# Allegro board PandaX_III_V3.brd (continued)
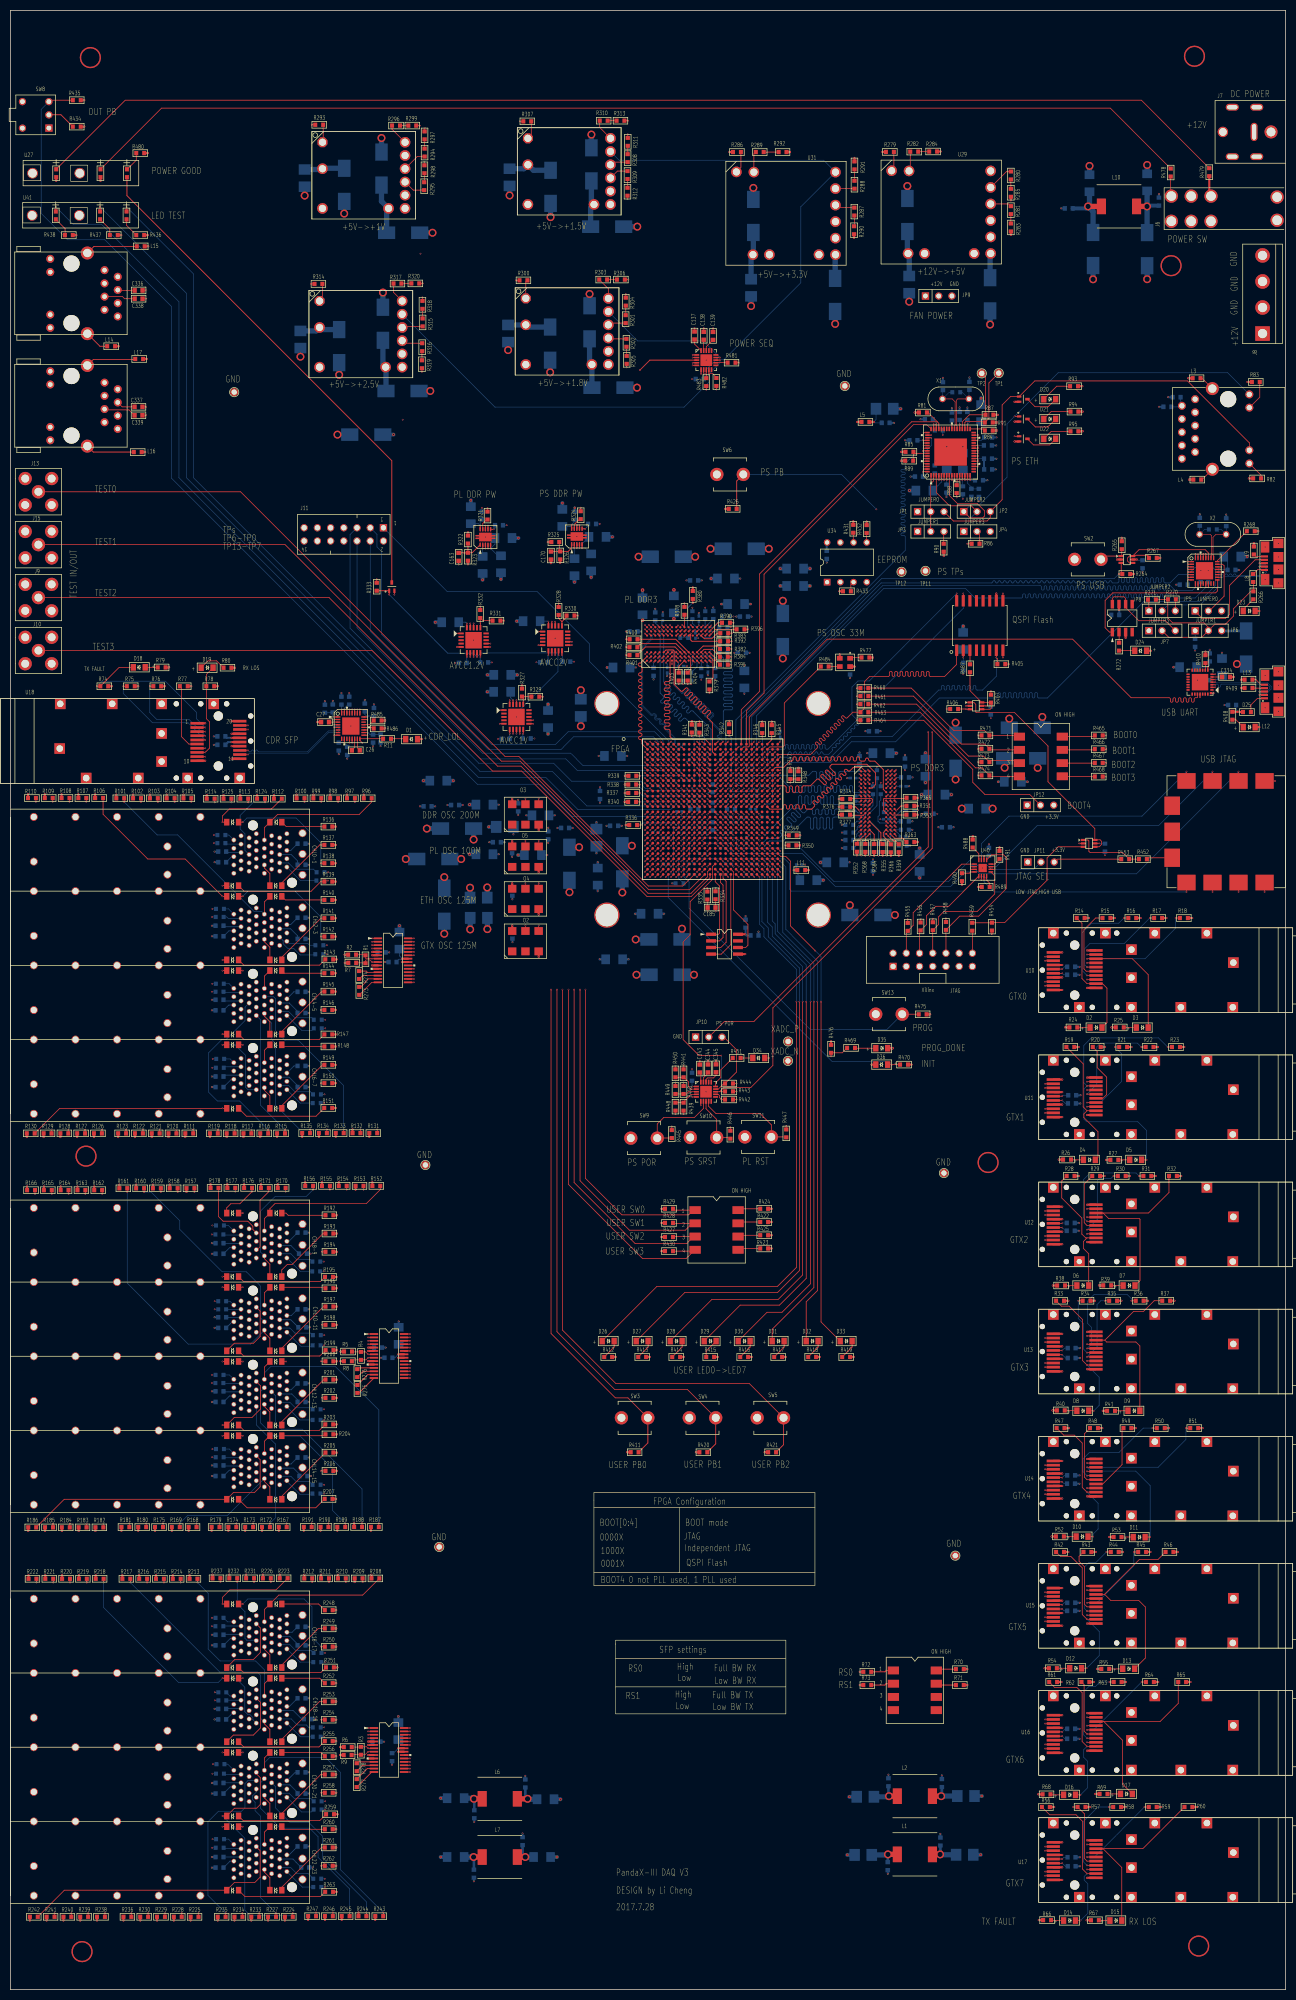
[diagram p0: board, top side]
## Routing (per net, layer and track width the routed paths; a pad name or vN(x,y) marks a point on that pad's centre or on a via; arc(x,y) is an arc through that point) (continued)
  SIG1 w0.102: v1(26.11,324.64) 26.75,325.27 27.15,325.27 arc(27.29,325.21) 27.35,325.07 27.35,324.89 arc(27.55,324.69) 27.76,324.89 27.76,325.07 arc(27.82,325.21) 27.96,325.27 31.24,325.27 50.29,306.22 52.37,304.14 101.4,304.14 101.55,303.99 117.6,287.94 117.6,250.93 129.31,239.22 129.31,229.41 129.15,229.25 128.29,229.25 v1(127.92,229.62)
DCM_MOSI_P: length 174.5
  TOP w0.102: C336.1 v1(26.11,326.24) ; U1.M7 v1(127.92,228.62)
  SIG1 w0.102: v1(26.11,326.24) 26.82,325.53 31.14,325.53 31.35,325.53 50.47,306.4 50.55,306.33 52.48,304.39 101.5,304.39 101.73,304.17 117.86,288.04 117.86,251.03 129.57,239.32 129.57,229.31 129.25,229 128.29,229 v1(127.92,228.62)
DCM_REMDET: length 206.8
  TOP w0.102: U1.W15 v1(136.93,220.62)
  SIG4 w0.127: v1(136.93,220.62) 137.16,220.85 137.21,220.85 137.31,220.96 137.31,225.86 136.52,226.65 111.2,226.65 108.51,229.34 92.25,229.34 30.33,291.26 11.86,291.26 6.5,296.62 6.5,322.45 7.83,323.78 DU1.6
DDR3_ADDR0: length 41.3
  TOP w0.102: U1.K22 v1(143.93,230.62)
  TOP w0.127: U33.N3 v1(164.74,223.95)
  TOP w0.152: R355.1 167.26,220.27 167.26,222.11 U33.N3
  SIG3 w0.152: v1(164.74,223.95) 164.3,224.38 162.38,224.38 162.08,224.69 158.78,224.69 157.67,225.8 arc(157.58,226) 157.67,226.21 arc(157.75,226.41) 157.67,226.61 157.64,226.64 arc(157.44,226.72) 157.23,226.64 arc(157.03,226.55) 156.83,226.64 156.21,227.25 155.64,227.25 arc(155.43,227.17) 155.34,226.95 155.34,225.96 arc(155.03,225.65) 154.73,225.96 154.73,226.95 arc(154.42,227.25) 154.12,226.95 154.12,225.96 arc(153.81,225.65) 153.51,225.96 153.51,226.95 arc(153.2,227.25) 152.9,226.95 152.9,225.96 arc(152.59,225.65) 152.29,225.96 152.29,226.95 arc(152.2,227.17) 151.98,227.25 149.63,227.25 arc(149.52,227.21) 149.47,227.09 arc(149.42,226.97) 149.3,226.92 149.02,226.92 arc(148.91,226.97) 148.86,227.09 arc(148.81,227.21) 148.69,227.25 148.41,227.25 arc(148.3,227.21) 148.25,227.09 arc(148.2,226.97) 148.08,226.92 147.8,226.92 arc(147.69,226.97) 147.64,227.09 arc(147.59,227.21) 147.47,227.25 147.19,227.25 arc(147.08,227.21) 147.03,227.09 arc(146.98,226.97) 146.86,226.92 146.59,226.92 arc(146.47,226.97) 146.42,227.09 arc(146.37,227.21) 146.26,227.25 145.87,227.25 145.41,227.71 145.41,229.92 145.19,230.15 144.4,230.15 v1(143.93,230.62)
DDR3_ADDR1: length 39.7
  TOP w0.102: U1.K20 v1(141.93,230.62)
  TOP w0.127: U33.P7 v1(168.61,223.15)
  SIG4 w0.152: v1(168.61,223.15) 166.31,223.15 165.96,223.5 165.96,226.87 165.25,227.59 162.38,227.59 160.88,229.08 157.27,229.08 arc(157.15,229.04) 157.1,228.92 arc(157.05,228.8) 156.94,228.75 156.66,228.75 arc(156.54,228.8) 156.49,228.92 arc(156.45,229.04) 156.33,229.08 156.05,229.08 arc(155.93,229.04) 155.88,228.92 arc(155.84,228.8) 155.72,228.75 155.44,228.75 arc(155.32,228.8) 155.27,228.92 arc(155.23,229.04) 155.11,229.08 154.83,229.08 arc(154.71,229.04) 154.66,228.92 arc(154.62,228.8) 154.5,228.75 154.22,228.75 arc(154.1,228.8) 154.06,228.92 arc(154.01,229.04) 153.89,229.08 153.61,229.08 arc(153.49,229.04) 153.45,228.92 arc(153.4,228.8) 153.28,228.75 153,228.75 arc(152.88,228.8) 152.84,228.92 arc(152.79,229.04) 152.67,229.08 152.39,229.08 arc(152.27,229.04) 152.23,228.92 arc(152.18,228.8) 152.06,228.75 151.78,228.75 arc(151.67,228.8) 151.62,228.92 arc(151.57,229.04) 151.45,229.08 151.17,229.08 arc(151.06,229.04) 151.01,228.92 arc(150.96,228.8) 150.84,228.75 150.56,228.75 arc(150.45,228.8) 150.4,228.92 arc(150.35,229.04) 150.23,229.08 149.95,229.08 arc(149.84,229.04) 149.79,228.92 arc(149.74,228.8) 149.62,228.75 149.34,228.75 arc(149.23,228.8) 149.18,228.92 arc(149.13,229.04) 149.01,229.08 145.64,229.08 145.49,229.24 145.49,229.9 145.21,230.18 142.37,230.18 141.93,230.62 v1(141.93,230.62)
  BOTTOM w0.152: v1(168.61,223.15) 167.89,222.43 167.89,220.45 R356.1
DDR3_ADDR2: length 38.7
  TOP w0.102: U1.N21 v1(142.93,227.62)
  TOP w0.127: U33.P3 v1(164.74,223.15)
  SIG3 w0.152: v1(142.93,227.62) 142.93,227.2 144.53,225.6 150.75,225.6 150.98,225.37 arc(151.07,225.16) 150.98,224.94 150.59,224.55 arc(150.59,224.12) 151.03,224.12 151.41,224.51 arc(151.84,224.51) 151.84,224.08 151.46,223.69 arc(151.46,223.26) 151.89,223.26 152.27,223.65 arc(152.49,223.74) 152.7,223.65 153.21,223.14 153.86,223.14 arc(154.08,223.05) 154.16,222.84 154.16,222.4 arc(154.47,222.1) 154.77,222.4 154.77,222.84 arc(155.08,223.14) 155.38,222.84 155.38,222.4 arc(155.69,222.1) 155.99,222.4 155.99,222.84 arc(156.3,223.14) 156.6,222.84 156.6,222.4 arc(156.91,222.1) 157.21,222.4 157.21,222.84 arc(157.52,223.14) 157.82,222.84 157.82,222.4 arc(158.13,222.1) 158.43,222.4 158.43,222.84 arc(158.52,223.05) 158.74,223.14 162,223.14 162.41,222.73 164.32,222.73 v1(164.74,223.15)
  BOTTOM w0.152: R357.1 165.23,220.07 165.23,222.66 v1(164.74,223.15)
DDR3_ADDR3: length 38.5
  TOP w0.102: U1.L22 v1(143.93,229.62)
  TOP w0.127: U33.N2 v1(163.94,223.95)
  SIG4 w0.152: v1(143.93,229.62) 144.45,229.1 144.45,228.3 144.65,228.09 147.59,228.09 arc(147.81,228) 147.9,227.79 147.9,227.48 arc(148.2,227.18) 148.51,227.48 148.51,227.79 arc(148.81,228.09) 149.12,227.79 149.12,227.48 arc(149.42,227.18) 149.73,227.48 149.73,227.79 arc(150.03,228.09) 150.34,227.79 150.34,227.48 arc(150.64,227.18) 150.95,227.48 150.95,227.79 arc(151.25,228.09) 151.56,227.79 151.56,227.48 arc(151.86,227.18) 152.17,227.48 152.17,227.79 arc(152.47,228.09) 152.78,227.79 152.78,227.48 arc(153.08,227.18) 153.38,227.48 153.38,227.79 arc(153.69,228.09) 153.99,227.79 153.99,227.48 arc(154.3,227.18) 154.6,227.48 154.6,227.79 arc(154.91,228.09) 155.21,227.79 155.21,227.48 arc(155.52,227.18) 155.82,227.48 155.82,227.79 arc(156.13,228.09) 156.43,227.79 156.43,227.48 arc(156.74,227.18) 157.04,227.48 157.04,227.79 arc(157.13,228) 157.35,228.09 161.01,228.09 162.61,226.49 162.61,224.57 162.76,224.42 163.44,224.42 163.47,224.39 163.5,224.39 v1(163.94,223.95)
  BOTTOM w0.152: R358.1 162.08,222.15 162.71,222.78 162.71,223.2 163,223.48 163.47,223.48 v1(163.94,223.95)
DDR3_ADDR4: length 40.4
  TOP w0.102: U1.M20 v1(141.93,228.62)
  TOP w0.127: U33.P8 v1(169.41,223.15)
  SIG4 w0.152: v1(169.41,223.15) 169.82,222.74 169.82,221.26 168.22,219.66 161.59,219.66 156.16,225.1 145.14,225.1 143.15,227.08 142.67,227.08 142.39,227.36 142.39,228.16 v1(141.93,228.62)
  BOTTOM w0.152: v1(169.41,223.15) 169.41,223.09 169.06,222.73 169.06,221.16 170.56,219.66 R359.1
DDR3_ADDR5: length 40.4
  TOP w0.102: U1.N22 v1(143.93,227.62)
  TOP w0.127: U33.P2 v1(163.94,223.15)
  SIG4 w0.152: v1(163.94,223.15) 163.59,223.5 162.38,223.5 161.52,224.36 157.63,224.36 156.49,225.5 156.08,225.5 arc(155.86,225.59) 155.78,225.81 155.78,226.24 arc(155.47,226.54) 155.17,226.24 155.17,225.81 arc(154.86,225.5) 154.56,225.81 154.56,226.24 arc(154.25,226.54) 153.95,226.24 153.95,225.81 arc(153.64,225.5) 153.34,225.81 153.34,226.24 arc(153.03,226.54) 152.73,226.24 152.73,225.81 arc(152.42,225.5) 152.12,225.81 152.12,226.24 arc(151.81,226.54) 151.51,226.24 151.51,225.81 arc(151.2,225.5) 150.9,225.81 150.9,226.24 arc(150.59,226.54) 150.29,226.24 150.29,225.81 arc(149.98,225.5) 149.68,225.81 149.68,226.24 arc(149.37,226.54) 149.07,226.24 149.07,225.81 arc(148.77,225.5) 148.46,225.81 148.46,226.24 arc(148.16,226.54) 147.85,226.24 147.85,225.81 arc(147.55,225.5) 147.24,225.81 147.24,226.24 arc(146.94,226.54) 146.63,226.24 146.63,225.81 arc(146.54,225.59) 146.33,225.5 146.05,225.5 v1(143.93,227.62)
  BOTTOM w0.152: v1(163.94,223.15) 163.47,222.68 163.47,221.42 162.69,220.64 162.69,219.84 162.03,219.18 R360.1
DDR3_ADDR6: length 38
  TOP w0.102: U1.L20 v1(141.93,229.62)
  TOP w0.127: U33.R8 v1(169.41,222.35)
  SIG2 w0.152: v1(141.93,229.62) 142.36,229.19 142.36,227.59 142.37,227.59 142.77,227.18 148.21,227.18 149.28,226.11 159.28,226.11 160.17,225.22 165.26,225.22 arc(165.48,225.31) 165.57,225.53 arc(165.87,225.83) 166.18,225.53 arc(166.48,225.22) 166.79,225.53 arc(167.09,225.83) 167.4,225.53 arc(167.49,225.31) 167.7,225.22 169.55,225.22 169.88,224.89 169.88,222.82 v1(169.41,222.35)
  BOTTOM w0.152: R361.1 169.74,222.68 v1(169.41,222.35)
DDR3_ADDR7: length 38.6
  TOP w0.102: U1.J21 v1(142.93,231.62)
  TOP w0.127: U33.R2 v1(163.94,222.35)
  SIG3 w0.152: v1(163.94,222.35) 163.53,221.95 162.81,221.95 162.48,221.62 157.68,221.62 arc(157.47,221.53) 157.38,221.31 157.38,220.98 arc(157.07,220.68) 156.77,220.98 156.77,221.31 arc(156.46,221.62) 156.16,221.31 156.16,220.98 arc(155.85,220.68) 155.55,220.98 155.55,221.31 arc(155.24,221.62) 154.94,221.31 154.94,220.98 arc(154.64,220.68) 154.33,220.98 154.33,221.31 arc(154.03,221.62) 153.72,221.31 153.72,220.98 arc(153.42,220.68) 153.11,220.98 153.11,221.31 arc(153.02,221.53) 152.81,221.62 152.53,221.62 149.02,225.12 143.89,225.12 142.42,226.59 142.42,231.11 v1(142.93,231.62)
  BOTTOM w0.152: R362.1 164.27,220.76 164.27,222.02 v1(163.94,222.35)
DDR3_ADDR8: length 39.3
  TOP w0.102: U1.T20 v1(141.93,223.62)
  TOP w0.127: U33.T8 v1(169.41,221.55)
  TOP w0.152: v1(169.41,221.55) 169.91,221.06 171.42,221.06 R363.1
  SIG2 w0.152: v1(169.41,221.55) 169.41,220.85 168.73,220.17 159.12,220.17 arc(158.94,220.09) 158.86,219.91 arc(158.79,219.73) 158.61,219.66 158.51,219.66 arc(158.33,219.73) 158.25,219.91 arc(158.18,220.09) 158,220.17 157.67,220.17 arc(157.45,220.08) 157.37,219.86 157.37,219.79 arc(157.06,219.48) 156.76,219.79 156.76,219.86 arc(156.45,220.17) 156.15,219.86 156.15,219.79 arc(155.84,219.48) 155.54,219.79 155.54,219.86 arc(155.23,220.17) 154.93,219.86 154.93,219.79 arc(154.62,219.48) 154.32,219.79 154.32,219.86 arc(154.01,220.17) 153.71,219.86 153.71,219.79 arc(153.4,219.48) 153.1,219.79 153.1,219.86 arc(153.01,220.08) 152.79,220.17 145.54,220.17 144.63,221.08 142.82,221.08 142.49,221.41 142.49,223.05 v1(141.93,223.62)
DDR3_ADDR9: length 38.7
  TOP w0.102: U1.U20 v1(141.93,222.62)
  TOP w0.127: U33.R3 v1(164.74,222.35)
  TOP w0.152: R364.1 165.96,221.8 U33.R3
  SIG1 w0.152: v1(164.74,222.35) 164.38,222 162.81,222 162.41,221.59 161.38,221.59 arc(161.17,221.5) 161.08,221.29 161.08,221.08 arc(160.78,220.78) 160.47,221.08 160.47,221.29 arc(160.38,221.5) 160.17,221.59 159.08,221.59 arc(158.86,221.5) 158.78,221.29 158.78,220.88 arc(158.47,220.57) 158.17,220.88 158.17,221.29 arc(157.86,221.59) 157.56,221.29 157.56,220.88 arc(157.25,220.57) 156.95,220.88 156.95,221.29 arc(156.64,221.59) 156.34,221.29 156.34,220.88 arc(156.03,220.57) 155.73,220.88 155.73,221.29 arc(155.42,221.59) 155.12,221.29 155.12,220.88 arc(154.81,220.57) 154.51,220.88 154.51,221.29 arc(154.2,221.59) 153.9,221.29 153.9,220.88 arc(153.59,220.57) 153.29,220.88 153.29,221.29 arc(153.2,221.5) 152.98,221.59 152.7,221.59 152.2,221.08 150.05,221.08 arc(149.97,221.05) 149.94,220.97 arc(149.9,220.89) 149.82,220.85 149.44,220.85 arc(149.36,220.89) 149.33,220.97 arc(149.29,221.05) 149.21,221.08 148.83,221.08 arc(148.75,221.05) 148.72,220.97 arc(148.68,220.89) 148.6,220.85 148.22,220.85 arc(148.14,220.89) 148.11,220.97 arc(148.08,221.05) 147.99,221.08 147.61,221.08 arc(147.53,221.05) 147.5,220.97 arc(147.47,220.89) 147.38,220.85 147,220.85 arc(146.92,220.89) 146.89,220.97 arc(146.86,221.05) 146.78,221.08 146.39,221.08 arc(146.31,221.05) 146.28,220.97 arc(146.25,220.89) 146.17,220.85 145.78,220.85 arc(145.7,220.89) 145.67,220.97 arc(145.64,221.05) 145.56,221.08 145.17,221.08 arc(145.09,221.05) 145.06,220.97 arc(145.03,220.89) 144.95,220.85 144.57,220.85 arc(144.48,220.89) 144.45,220.97 arc(144.42,221.05) 144.34,221.08 142.65,221.08 142.34,221.39 142.34,222.2 v1(141.93,222.62)
DDR3_ADDR10: length 43.1
  TOP w0.102: U1.M22 v1(143.93,228.62)
  TOP w0.127: U33.L7 v1(168.61,225.55)
  TOP w0.152: R365.1 172.07,228.71 167.9,228.71 167.79,228.6 167.79,226.37 U33.L7
  SIG2 w0.152: v1(143.93,228.62) 144.3,228.25 148.54,228.25 149.5,227.28 arc(149.72,227.19) 149.81,226.98 149.81,226.82 arc(150.11,226.52) 150.42,226.82 150.42,226.98 arc(150.72,227.28) 151.03,226.98 151.03,226.82 arc(151.33,226.52) 151.64,226.82 151.64,226.98 arc(151.94,227.28) 152.25,226.98 152.25,226.82 arc(152.55,226.52) 152.86,226.82 152.86,226.98 arc(153.16,227.28) 153.47,226.98 153.47,226.82 arc(153.77,226.52) 154.08,226.82 154.08,226.98 arc(154.38,227.28) 154.69,226.98 154.69,226.82 arc(154.99,226.52) 155.3,226.82 155.3,226.98 arc(155.6,227.28) 155.91,226.98 155.91,226.82 arc(156.21,226.52) 156.51,226.82 156.51,226.98 arc(156.82,227.28) 157.12,226.98 157.12,226.82 arc(157.43,226.52) 157.73,226.82 157.73,226.98 arc(157.82,227.19) 158.04,227.28 158.34,227.28 159.03,226.59 159.56,226.59 159.79,226.82 163.8,226.82 163.8,226.82 164.87,226.82 164.87,226.82 165.37,226.82 arc(165.58,226.91) 165.67,227.13 165.67,227.43 arc(165.98,227.74) 166.28,227.43 166.28,227.13 arc(166.37,226.91) 166.59,226.82 167.34,226.82 v1(168.61,225.55)
DDR3_ADDR11: length 39.5
  TOP w0.102: U1.H21 v1(142.93,232.62)
  TOP w0.127: U33.R7 v1(168.61,222.35)
  TOP w0.152: R366.1 169.16,220.04 167.72,221.49 167.72,222.13 U33.R7
  SIG4 w0.152: v1(142.93,232.62) 143.41,232.14 143.41,231.4 143.71,231.09 146.25,231.09 146.43,230.91 146.43,230.43 146.79,230.07 161.04,230.07 162.33,228.78 168.58,228.78 168.96,228.4 168.96,222.7 v1(168.61,222.35)
DDR3_ADDR12: length 43.7
  TOP w0.102: U1.P20 v1(141.93,225.62)
  TOP w0.127: U33.N7 v1(168.61,223.95)
  SIG2 w0.152: v1(168.61,223.95) 168.18,224.38 159.11,224.38 158.29,225.2 157.1,225.2 arc(157.04,225.22) 157.01,225.29 arc(156.99,225.35) 156.93,225.38 156.49,225.38 arc(156.43,225.35) 156.41,225.29 arc(156.38,225.22) 156.32,225.2 155.88,225.2 arc(155.82,225.22) 155.8,225.29 arc(155.77,225.35) 155.71,225.38 155.28,225.38 arc(155.21,225.35) 155.19,225.29 arc(155.16,225.22) 155.1,225.2 154.67,225.2 arc(154.6,225.22) 154.58,225.29 arc(154.55,225.35) 154.49,225.38 154.06,225.38 arc(153.99,225.35) 153.97,225.29 arc(153.94,225.22) 153.88,225.2 153.45,225.2 arc(153.38,225.22) 153.36,225.29 arc(153.33,225.35) 153.27,225.38 152.84,225.38 arc(152.77,225.35) 152.75,225.29 arc(152.72,225.22) 152.66,225.2 152.23,225.2 arc(152.16,225.22) 152.14,225.29 arc(152.11,225.35) 152.05,225.38 151.62,225.38 arc(151.55,225.35) 151.53,225.29 arc(151.5,225.22) 151.44,225.2 151.01,225.2 arc(150.94,225.22) 150.92,225.29 arc(150.89,225.35) 150.83,225.38 150.4,225.38 arc(150.34,225.35) 150.31,225.29 arc(150.28,225.22) 150.22,225.2 149.79,225.2 arc(149.73,225.22) 149.7,225.29 arc(149.67,225.35) 149.61,225.38 149.18,225.38 arc(149.12,225.35) 149.09,225.29 arc(149.06,225.22) 149,225.2 147.93,225.2 arc(147.72,225.29) 147.63,225.5 147.63,226.19 arc(147.32,226.49) 147.02,226.19 147.02,225.5 arc(146.71,225.2) 146.41,225.5 146.41,226.19 arc(146.1,226.49) 145.8,226.19 145.8,225.5 arc(145.5,225.2) 145.19,225.5 145.19,226.19 arc(144.89,226.49) 144.58,226.19 144.58,225.5 arc(144.49,225.29) 144.28,225.2 142.35,225.2 v1(141.93,225.62)
  BOTTOM w0.152: v1(168.61,223.95) 168.59,223.98 167.06,223.98 166.7,224.33 166.7,225.2 166.95,225.45 166.95,228.14 167.23,228.42 R367.1
DDR3_ADDR13: length 37.4
  TOP w0.102: U1.J20 v1(141.93,231.62)
  TOP w0.127: U33.T3 v1(164.74,221.55)
  TOP w0.152: R368.1 164.26,221.08 v1(164.74,221.55)
  SIG3 w0.152: v1(164.74,221.55) 163.35,220.17 159.07,220.17 arc(158.91,220.11) 158.85,219.95 arc(158.79,219.8) 158.63,219.74 158.46,219.74 arc(158.3,219.8) 158.24,219.95 arc(158.18,220.11) 158.02,220.17 157.85,220.17 arc(157.69,220.11) 157.63,219.95 arc(157.57,219.8) 157.42,219.74 157.24,219.74 arc(157.08,219.8) 157.02,219.95 arc(156.96,220.11) 156.81,220.17 156.63,220.17 arc(156.47,220.11) 156.41,219.95 arc(156.35,219.8) 156.2,219.74 156.02,219.74 arc(155.87,219.8) 155.8,219.95 arc(155.74,220.11) 155.59,220.17 155.41,220.17 arc(155.26,220.11) 155.19,219.95 arc(155.13,219.8) 154.98,219.74 154.8,219.74 arc(154.65,219.8) 154.58,219.95 arc(154.52,220.11) 154.37,220.17 152.35,220.17 148.44,224.08 142.98,224.08 141.3,225.76 141.3,231 v1(141.93,231.62)
DDR3_ADDR14: length 39.2
  TOP w0.102: U1.R20 v1(141.93,224.62)
  TOP w0.127: U33.T7 v1(168.61,221.55)
  TOP w0.152: R369.1 169.98,220.63 169.54,220.63 v1(168.61,221.55)
  SIG2 w0.152: v1(141.93,224.62) 142.41,224.13 143.1,224.13 143.46,223.78 143.46,223.24 143.69,223.01 145.47,223.01 arc(145.69,222.92) 145.78,222.71 145.78,222.68 arc(146.08,222.38) 146.39,222.68 146.39,222.71 arc(146.69,223.01) 147,222.71 147,222.68 arc(147.3,222.38) 147.61,222.68 147.61,222.71 arc(147.91,223.01) 148.22,222.71 148.22,222.68 arc(148.52,222.38) 148.83,222.68 148.83,222.71 arc(149.13,223.01) 149.43,222.71 149.43,222.68 arc(149.74,222.38) 150.04,222.68 150.04,222.71 arc(150.35,223.01) 150.65,222.71 150.65,222.68 arc(150.96,222.38) 151.26,222.68 151.26,222.71 arc(151.57,223.01) 151.87,222.71 151.87,222.68 arc(152.18,222.38) 152.48,222.68 152.48,222.71 arc(152.79,223.01) 153.09,222.71 153.09,222.68 arc(153.4,222.38) 153.7,222.68 153.7,222.71 arc(154.01,223.01) 154.31,222.71 154.31,222.68 arc(154.62,222.38) 154.92,222.68 154.92,222.71 arc(155.23,223.01) 155.53,222.71 155.53,222.68 arc(155.84,222.38) 156.14,222.68 156.14,222.71 arc(156.23,222.92) 156.45,223.01 157.76,223.01 159.16,221.62 162.36,221.62 162.69,221.95 168.22,221.95 v1(168.61,221.55)
DDR3_BA0: length 38.5
  TOP w0.102: U1.U22 v1(143.93,222.62)
  TOP w0.127: U33.M2 v1(163.94,224.75)
  SIG1 w0.152: v1(143.93,222.62) 145.52,224.21 146.13,224.21 146.3,224.38 149.47,224.38 arc(149.68,224.3) 149.77,224.08 149.77,223.75 arc(150.08,223.44) 150.38,223.75 150.38,224.08 arc(150.69,224.38) 150.99,224.08 150.99,223.75 arc(151.3,223.44) 151.6,223.75 151.6,224.08 arc(151.91,224.38) 152.21,224.08 152.21,223.75 arc(152.52,223.44) 152.82,223.75 152.82,224.08 arc(153.13,224.38) 153.43,224.08 153.43,223.75 arc(153.74,223.44) 154.04,223.75 154.04,224.08 arc(154.35,224.38) 154.65,224.08 154.65,223.75 arc(154.95,223.44) 155.26,223.75 155.26,224.08 arc(155.56,224.38) 155.87,224.08 155.87,223.75 arc(156.17,223.44) 156.48,223.75 156.48,224.08 arc(156.78,224.38) 157.09,224.08 157.09,223.75 arc(157.39,223.44) 157.7,223.75 157.7,224.08 arc(158,224.38) 158.31,224.08 158.31,223.75 arc(158.61,223.44) 158.92,223.75 158.92,224.08 arc(159.01,224.3) 159.22,224.38 160.23,224.38 arc(160.45,224.3) 160.54,224.08 160.54,223.65 arc(160.84,223.34) 161.15,223.65 161.15,224.08 arc(161.45,224.38) 161.76,224.08 161.76,223.65 arc(162.06,223.34) 162.36,223.65 162.36,224.08 arc(162.45,224.3) 162.67,224.38 163.57,224.38 v1(163.94,224.75)
  BOTTOM w0.152: R370.1 162.66,224.33 163.52,224.33 v1(163.94,224.75)
DDR3_BA1: length 39.7
  TOP w0.102: U1.T22 v1(143.93,223.62)
  TOP w0.127: U33.N8 v1(169.41,223.95)
  SIG2 w0.152: v1(169.41,223.95) 168.96,223.5 168.25,223.5 167.51,222.76 159.49,222.76 158.17,224.08 157.78,224.08 arc(157.57,224.17) 157.48,224.38 157.48,224.46 arc(157.17,224.77) 156.87,224.46 156.87,224.38 arc(156.56,224.08) 156.26,224.38 156.26,224.46 arc(155.96,224.77) 155.65,224.46 155.65,224.38 arc(155.35,224.08) 155.04,224.38 155.04,224.46 arc(154.74,224.77) 154.43,224.46 154.43,224.38 arc(154.13,224.08) 153.82,224.38 153.82,224.46 arc(153.52,224.77) 153.21,224.46 153.21,224.38 arc(152.91,224.08) 152.6,224.38 152.6,224.46 arc(152.3,224.77) 151.99,224.46 151.99,224.38 arc(151.69,224.08) 151.38,224.38 151.38,224.46 arc(151.08,224.77) 150.77,224.46 150.77,224.38 arc(150.47,224.08) 150.16,224.38 150.16,224.46 arc(149.86,224.77) 149.55,224.46 149.55,224.38 arc(149.25,224.08) 148.94,224.38 148.94,224.46 arc(148.64,224.77) 148.34,224.46 148.34,224.38 arc(148.03,224.08) 147.73,224.38 147.73,224.46 arc(147.42,224.77) 147.12,224.46 147.12,224.38 arc(147.03,224.17) 146.81,224.08 144.39,224.08 v1(143.93,223.62)
  BOTTOM w0.152: R371.1 171.22,226.44 169.8,225.02 169.8,224.34 v1(169.41,223.95)
DDR3_BA2: length 41.6
  TOP w0.102: U1.R22 v1(143.93,224.62)
  TOP w0.127: U33.M3 v1(164.74,224.75)
  SIG1 w0.152: v1(164.74,224.75) 164.39,225.1 158.57,225.1 157.62,225.1 arc(157.39,225.19) 157.29,225.43 157.29,225.76 arc(156.98,226.06) 156.68,225.76 156.68,225.43 arc(156.37,225.12) 156.07,225.43 156.07,225.76 arc(155.76,226.06) 155.46,225.76 155.46,225.43 arc(155.15,225.12) 154.85,225.43 154.85,225.76 arc(154.55,226.06) 154.24,225.76 154.24,225.43 arc(153.94,225.12) 153.63,225.43 153.63,225.76 arc(153.33,226.06) 153.02,225.76 153.02,225.43 arc(152.72,225.12) 152.41,225.43 152.41,225.76 arc(152.11,226.06) 151.8,225.76 151.8,225.43 arc(151.5,225.12) 151.19,225.43 151.19,225.76 arc(150.89,226.06) 150.58,225.76 150.58,225.43 arc(150.28,225.12) 149.97,225.43 149.97,225.76 arc(149.67,226.06) 149.36,225.76 149.36,225.43 arc(149.06,225.12) 148.75,225.43 148.75,225.76 arc(148.45,226.06) 148.14,225.76 148.14,225.43 arc(147.84,225.12) 147.53,225.43 147.53,225.76 arc(147.23,226.06) 146.93,225.76 146.93,225.43 arc(146.62,225.12) 146.32,225.43 146.32,225.76 arc(146.01,226.06) 145.71,225.76 145.71,225.43 arc(145.62,225.21) 145.4,225.12 144.42,225.12 143.93,224.62 v1(143.93,224.62)
  BOTTOM w0.152: R372.1 166.8,222.69 v1(164.74,224.75)
DDR3_CAS_B: length 44.4
  TOP w0.102: U1.Y23 v1(144.93,219.62)
  TOP w0.127: U33.K3 v1(164.74,226.35)
  BOTTOM w0.152: v1(144.93,219.62) 145.83,220.52 148.49,220.52 153.09,225.12 153.42,225.12 arc(153.64,225.03) 153.73,224.82 153.73,223.09 arc(154.03,222.78) 154.34,223.09 154.34,224.82 arc(154.64,225.12) 154.95,224.82 154.95,223.09 arc(155.25,222.78) 155.56,223.09 155.56,224.82 arc(155.86,225.12) 156.17,224.82 156.17,223.09 arc(156.47,222.78) 156.78,223.09 156.78,224.82 arc(157.08,225.12) 157.39,224.82 157.39,223.09 arc(157.69,222.78) 158,223.09 158,224.82 arc(158.09,225.03) 158.3,225.12 164.16,225.12 164.31,225.27 164.31,225.93 v1(164.74,226.35) 165.73,227.35 R375.1
DDR3_CK_N: length 36.9
  TOP w0.102: U1.P21 v1(142.93,225.62)
  TOP w0.127: U33.K7 v1(168.61,226.35)
  SIG1 w0.102: v1(142.93,225.62) 142.82,225.51 142.82,225.38 142.72,225.27 142.67,225.27 142.57,225.38 142.57,226.15 142.96,226.54 143.19,226.54 arc(143.34,226.48) 143.4,226.34 arc(143.6,226.14) 143.8,226.34 arc(144.01,226.54) 144.21,226.34 arc(144.41,226.14) 144.61,226.34 arc(144.67,226.48) 144.82,226.54 148.11,226.54 149.17,227.61 149.4,227.61 arc(149.55,227.55) 149.61,227.41 arc(149.73,227.12) 150.01,227 150.16,227 arc(150.38,227.09) 150.47,227.31 150.47,227.41 arc(150.67,227.61) 150.88,227.41 arc(151,227.12) 151.28,227 151.43,227 arc(151.65,227.09) 151.74,227.31 151.74,227.41 arc(151.94,227.61) 152.15,227.41 arc(152.27,227.12) 152.55,227 152.7,227 arc(152.92,227.09) 153.01,227.31 153.01,227.41 arc(153.21,227.61) 153.42,227.41 arc(153.54,227.12) 153.82,227 153.97,227 arc(154.19,227.09) 154.28,227.31 154.28,227.41 arc(154.48,227.61) 154.69,227.41 arc(154.81,227.12) 155.09,227 155.24,227 arc(155.46,227.09) 155.55,227.31 155.55,227.41 arc(155.75,227.61) 155.96,227.41 arc(156.08,227.12) 156.36,227 156.51,227 arc(156.73,227.09) 156.82,227.31 156.82,227.41 arc(156.88,227.55) 157.02,227.61 159.26,227.61 160.27,228.63 165.46,228.63 167.44,226.64 168.33,226.64 v1(168.61,226.35)
  BOTTOM w0.152: v1(168.61,226.35) 168.32,226.06 R354.2
DDR3_CK_P: length 36.9
  TOP w0.102: U1.R21 v1(142.93,224.62)
  TOP w0.127: U33.J7 v1(168.61,227.15)
  SIG1 w0.102: v1(168.61,227.15) 168.33,226.87 167.54,226.87 165.55,228.86 160.18,228.86 159.16,227.84 157.02,227.84 arc(156.72,227.71) 156.59,227.41 156.59,227.31 arc(156.57,227.25) 156.51,227.23 156.36,227.23 arc(156.24,227.28) 156.18,227.41 arc(155.75,227.84) 155.32,227.41 155.32,227.31 arc(155.3,227.25) 155.24,227.23 155.09,227.23 arc(154.97,227.28) 154.91,227.41 arc(154.48,227.84) 154.05,227.41 154.05,227.31 arc(154.03,227.25) 153.97,227.23 153.82,227.23 arc(153.7,227.28) 153.64,227.41 arc(153.21,227.84) 152.78,227.41 152.78,227.31 arc(152.76,227.25) 152.7,227.23 152.55,227.23 arc(152.43,227.28) 152.37,227.41 arc(151.94,227.84) 151.51,227.41 151.51,227.31 arc(151.49,227.25) 151.43,227.23 151.28,227.23 arc(151.16,227.28) 151.1,227.41 arc(150.67,227.84) 150.24,227.41 150.24,227.31 arc(150.22,227.25) 150.16,227.23 150.01,227.23 arc(149.89,227.28) 149.83,227.41 arc(149.71,227.71) 149.4,227.84 149.08,227.84 148.01,226.77 142.87,226.77 142.34,226.24 142.34,225.28 142.58,225.05 142.82,225.05 142.93,224.94 v1(142.93,224.62)
  BOTTOM w0.152: v1(168.61,227.15) 168.18,227.59 R354.1
DDR3_CKE: length 38.3
  TOP w0.102: U1.U21 v1(142.93,222.62)
  TOP w0.127: U33.K9 v1(170.21,226.35)
  TOP w0.152: v1(170.21,226.35) 171.14,227.28 R351.1
  SIG2 w0.152: v1(170.21,226.35) 170.21,226.33 170.69,225.86 170.69,222.1 170.54,221.95 169.16,221.95 169.01,221.79 169.01,221.16 168.73,220.88 160.71,220.88 160.38,221.21 159.28,221.21 158.88,220.8 155.39,220.8 arc(155.29,220.84) 155.25,220.94 arc(155.21,221.04) 155.11,221.08 154.78,221.08 arc(154.68,221.04) 154.64,220.94 arc(154.6,220.84) 154.5,220.8 154.17,220.8 arc(154.07,220.84) 154.03,220.94 arc(153.99,221.04) 153.89,221.08 153.56,221.08 arc(153.46,221.04) 153.42,220.94 arc(153.38,220.84) 153.28,220.8 146.41,220.8 145.03,222.17 143.38,222.17 142.94,222.62 v1(142.93,222.62)
DDR3_CS_B: length 38.8
  TOP w0.102: U1.Y21 v1(142.93,219.62)
  TOP w0.127: U33.L2 v1(163.94,225.55)
  TOP w0.152: R377.1 161.43,225.47 163.85,225.47 v1(163.94,225.55)
  SIG1 w0.152: v1(163.94,225.55) 164.29,225.91 166.93,225.91 167.77,225.07 167.77,220.68 167.21,220.12 165.81,220.12 arc(165.72,220.16) 165.67,220.26 arc(165.63,220.36) 165.54,220.4 165.2,220.4 arc(165.11,220.36) 165.07,220.26 arc(165.02,220.16) 164.93,220.12 164.6,220.12 arc(164.5,220.16) 164.46,220.26 arc(164.41,220.36) 164.32,220.4 163.99,220.4 arc(163.89,220.36) 163.85,220.26 arc(163.81,220.16) 163.71,220.12 163.38,220.12 arc(163.28,220.16) 163.24,220.26 arc(163.2,220.36) 163.1,220.4 162.77,220.4 arc(162.67,220.36) 162.63,220.26 arc(162.59,220.16) 162.49,220.12 143.43,220.12 v1(142.93,219.62)
